# Altium PCB ECSE478 - DAQ Device.PcbDoc (part 4 of 4) (continued)
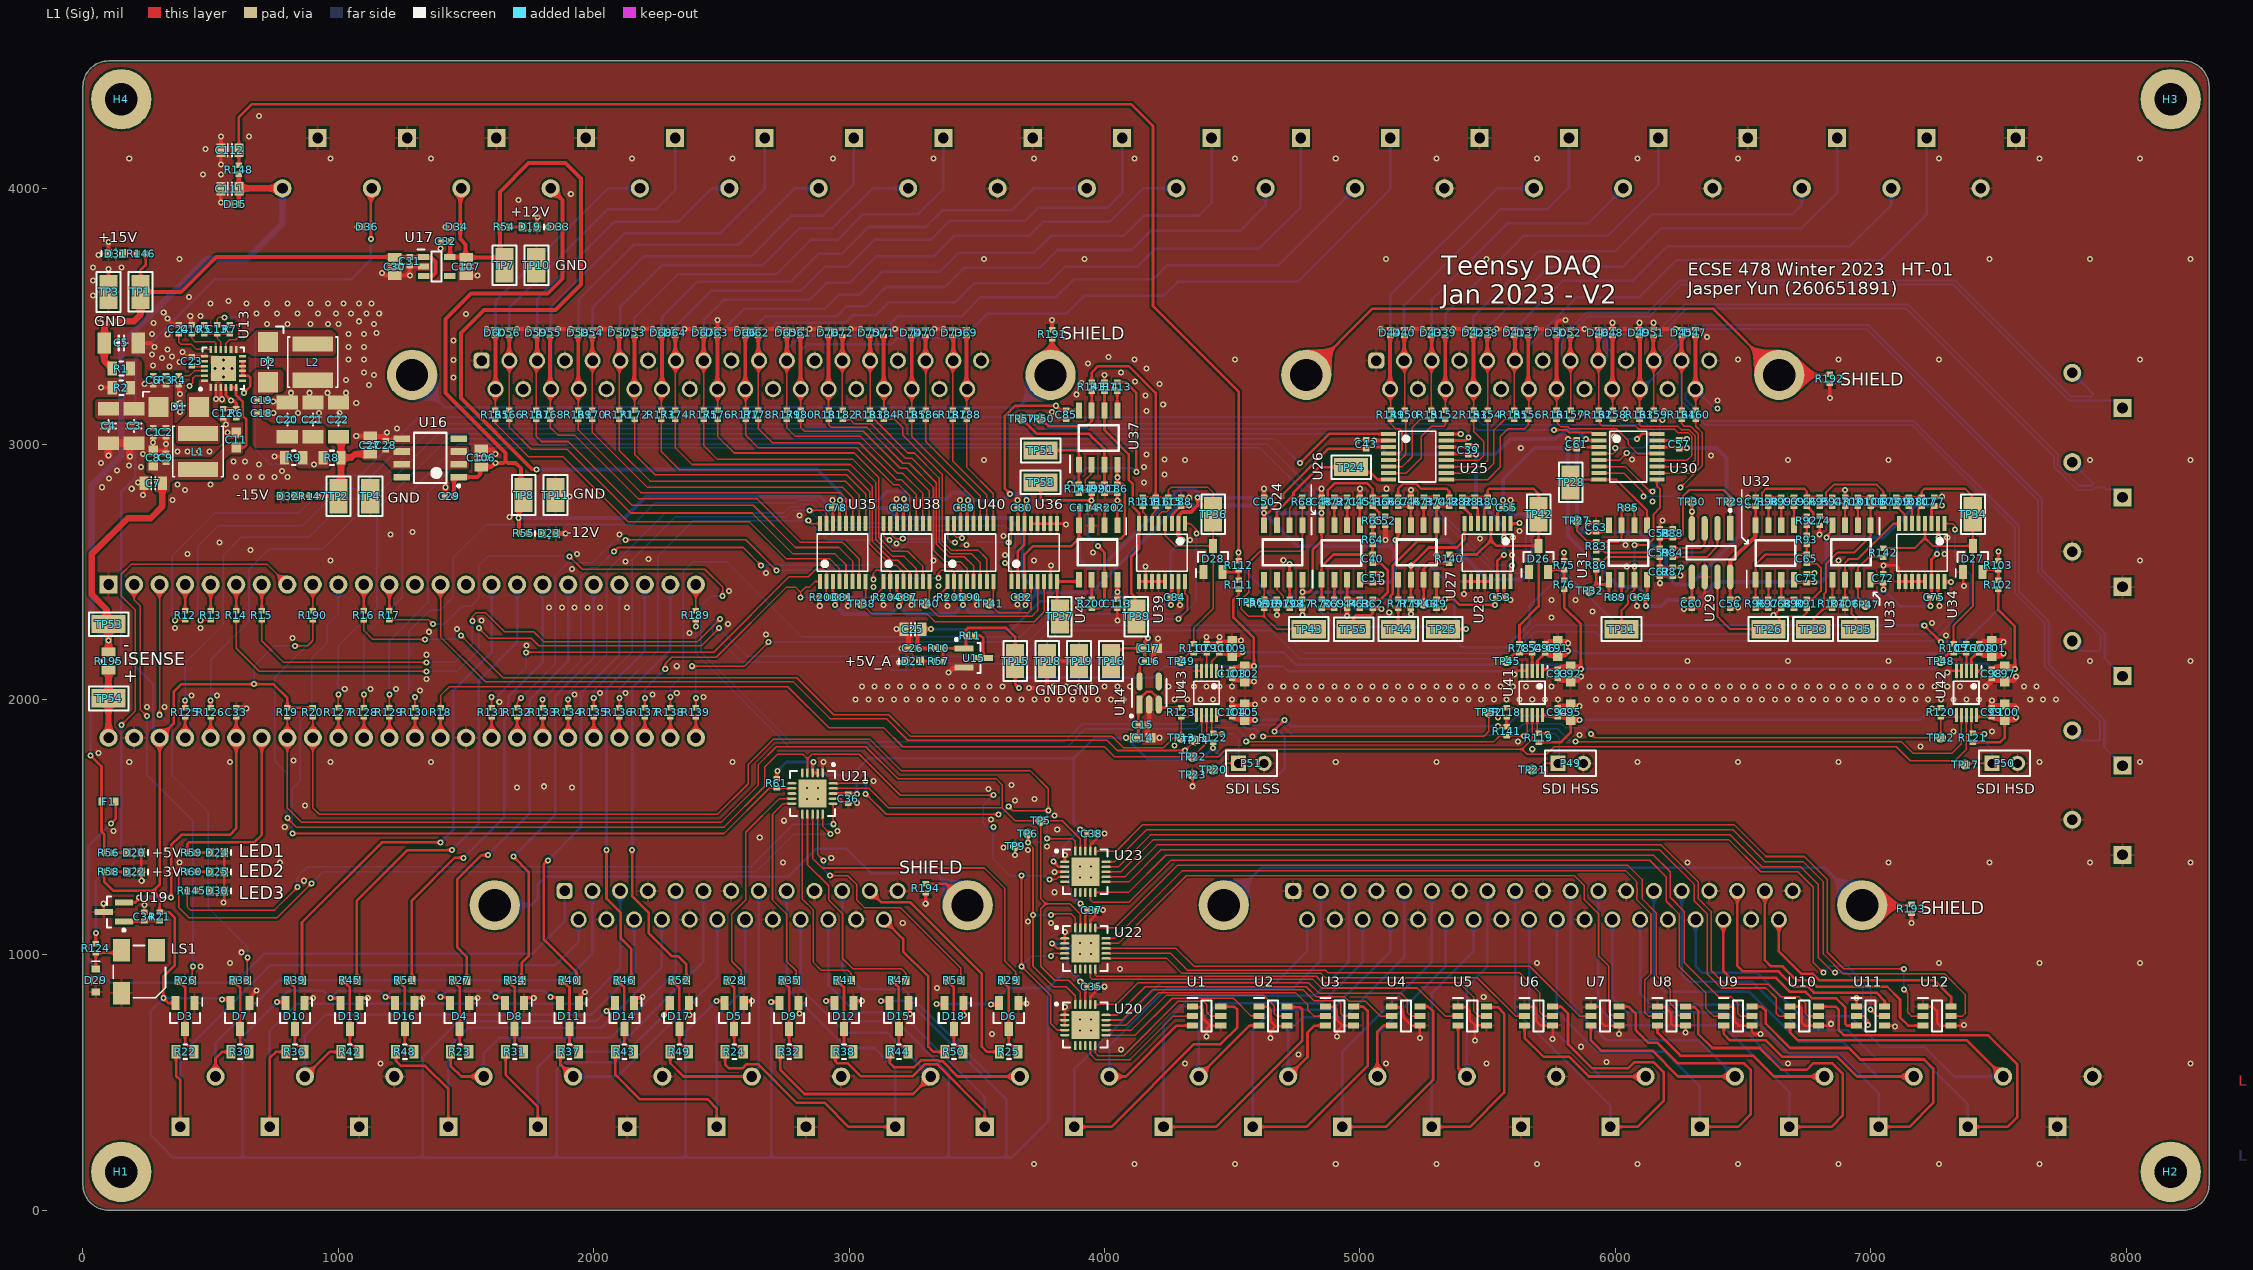
[diagram p0: L1 (Sig) view]
## Nets (pads, with @x,y where several pads share a name; then routed paths per layer and width w, separated by ;. In a path a pad name is that pad's centre, name@x,y a point inside that pad or via, vN(x,y) a via of type N, cw(c..) or ccw(c..) an arc to the next point about the centre after c; other vN are vias at no path point) (continued)
  L4 (Sig) w6: v1(800,1535) 800,1710 750,1760 750,2085 900,2235 U18.9@900,2450 ; v1(3565,1625) 3525,1585 3525,1515 3540,1500 v1(3565,1500) 3565,1375 3630,1310 v1(3675,1310) 3770,1310 v1(3785,1295) ; v1(3675,955) 3715,995 v1(3790,995)
RELAY_COIL_PWR_IN_CH_1: J3.20 P27.1 U1.6 | length 2392.9
  L1 (Sig) w10: P27.1@3881.1,326.57 4026.57,326.57 4350,650 4455,650 4520,715 4520,785 4507.6,797.4 U1.6@4455.12,797.4
  L4 (Sig) w10: P27.1@3881.1,326.57 3881.1,551.1 4220,890 4670.12,890 4793.31,1013.19 J3.20@4793.31,1138.19
RELAY_COIL_PWR_IN_CH_2: J3.2 P27.2 U1.3 | length 1768.3
  L1 (Sig) w10: P27.2@4018.9,523.43 4083.43,523.43 4282.6,722.6 U1.3@4344.89,722.6
  L4 (Sig) w10: P27.2@4018.9,523.43 4018.9,643.9 4245,870 4740,870 4847.64,977.64 J3.2@4847.64,1250
RELAY_COIL_PWR_IN_CH_3: J3.3 P29.1 U2.6 | length 2374.1
  L1 (Sig) w10: P29.1@4231.1,326.57 4436.57,326.57 4775,665 4775,785 4765,795 4717.53,795 U2.6@4715.12,797.4
  L4 (Sig) w10: P29.1@4231.1,326.57 4231.1,726.1 4345,840 4825,840 4956.3,971.3 J3.3@4956.3,1250
RELAY_COIL_PWR_IN_CH_4: J3.22 P29.2 U2.3 | length 1436.3
  L1 (Sig) w10: P29.2@4368.9,523.43 4568.07,722.6 U2.3@4604.89,722.6
  L4 (Sig) w10: P29.2@4368.9,523.43 4368.9,733.9 4445,810 4850,810 5010.63,970.63 J3.22@5010.63,1138.19
RELAY_COIL_PWR_IN_CH_5: J3.23 P31.1 U3.6 | length 1994.7
  L1 (Sig) w10: P31.1@4581.1,326.57 4791.57,326.57 5030,565 5030,780 5012.6,797.4 U3.6@4975.12,797.4
  L4 (Sig) w10: P31.1@4581.1,326.57 4581.1,706.1 4660,785 4891.1,785 5119.29,1013.19 J3.23@5119.29,1138.19
RELAY_COIL_PWR_IN_CH_6: J3.5 P31.2 U3.3 | length 1296
  L1 (Sig) w10: P31.2@4718.9,523.43 4795,599.53 4795,695 4822.6,722.6 U3.3@4864.89,722.6
  L4 (Sig) w10: P31.2@4718.9,523.43 4718.9,698.9 4775,755 4940,755 5173.62,988.62 J3.5@5173.62,1250
RELAY_COIL_PWR_IN_CH_7: J3.6 P33.1 U4.6 | length 1828
  L1 (Sig) w10: P33.1@4931.1,326.57 5101.57,326.57 5287.6,512.6 5287.6,777.4 5267.6,797.4 U4.6@5235.12,797.4
  L4 (Sig) w10: P33.1@4931.1,326.57 4931.1,621.1 5282.28,972.28 J3.6@5282.28,1250
RELAY_COIL_PWR_IN_CH_8: J3.25 P33.2 U4.3 | length 966.9
  L1 (Sig) w10: P33.2@5068.9,523.43 5068.9,698.9 5092.6,722.6 U4.3@5124.89,722.6
  L4 (Sig) w10: P33.2@5068.9,523.43 5068.9,688.9 5336.61,956.61 J3.25@5336.61,1138.19
RELAY_COIL_PWR_IN_CH_9: J3.26 P35.1 U5.6 | length 1610
  L1 (Sig) w10: P35.1@5281.1,326.57 5431.57,326.57 5565,460 5565,770 5540,795 5497.53,795 U5.6@5495.12,797.4
  L4 (Sig) w10: P35.1@5281.1,326.57 5281.1,849.02 5445.28,1013.19 J3.26@5445.28,1138.19
RELAY_COIL_PWR_IN_CH_10: J3.8 P35.2 U5.3 | length 973.3
  L1 (Sig) w10: U5.3@5384.89,722.6 5384.89,557.44 P35.2@5418.9,523.43
  L4 (Sig) w10: P35.2@5418.9,523.43 5418.9,873.9 5499.61,954.61 J3.8@5499.61,1250
RELAY_COIL_PWR_IN_CH_11: J3.9 P28.1 U6.6 | length 2072.1
  L1 (Sig) w10: U6.6@5755.12,797.4 5787.6,797.4 5815,770 5815,650 5910,555 6050,555 6075,580 6150,580 6190,540 6190,430 6086.57,326.57 P28.1@5981.1,326.57
  L4 (Sig) w10: J3.9@5608.27,1250 5608.27,781.73 5981.1,408.9 P28.1@5981.1,326.57
RELAY_COIL_PWR_IN_CH_12: J3.28 P28.2 U6.3 | length 1492
  L1 (Sig) w10: U6.3@5644.89,722.6 5644.89,675.11 5720,600 5820,600 5896.57,523.43 P28.2@6118.9,523.43
  L4 (Sig) w10: J3.28@5662.6,1138.19 5662.6,802.4 5941.57,523.43 P28.2@6118.9,523.43
RELAY_COIL_PWR_IN_CH_13: J3.29 P30.1 U7.6 | length 2248.1
  L1 (Sig) w10: U7.6@6015.12,797.4 6052.6,797.4 6080,770 6080,705 6130,655 6165,655 6245,575 6505,575 6530,550 6530,375 6481.57,326.57 P30.1@6331.1,326.57
  L4 (Sig) w10: J3.29@5771.26,1138.19 5771.26,778.74 5930,620 6195,620 6331.1,483.9 P30.1@6331.1,326.57
RELAY_COIL_PWR_IN_CH_14: J3.11 P30.2 U7.3 | length 1885.5
  L1 (Sig) w10: U7.3@5904.89,722.6 5904.89,665.11 5945,625 6145,625 6246.57,523.43 P30.2@6468.9,523.43
  L4 (Sig) w10: J3.11@5825.59,1250 5825.59,804.41 5965,665 6327.32,665 P30.2@6468.9,523.43
RELAY_COIL_PWR_IN_CH_15: J3.12 P32.1 U8.6 | length 2664.8
  L1 (Sig) w10: U8.6@6275.12,797.4 6277.53,795 6310,795 6325,780 6325,690 6380,635 6565,635 6650,550 6750,550 6775,575 6850,575 6890,535 6890,370 6846.57,326.57 P32.1@6681.1,326.57
  L4 (Sig) w10: J3.12@5934.25,1250 5934.25,795.75 6005,725 6420,725 6681.1,463.9 P32.1@6681.1,326.57
RELAY_COIL_PWR_IN_CH_16: J3.31 P32.2 U8.3 | length 2017.3
  L1 (Sig) w10: U8.3@6164.89,722.6 6164.89,695.11 6255,605 6540,605 6621.57,523.43 P32.2@6818.9,523.43
  L4 (Sig) w10: J3.31@5988.58,1138.19 5988.58,831.42 6045,775 6435,775 6686.57,523.43 P32.2@6818.9,523.43
RELAY_COIL_PWR_IN_CH_17: J3.32 P34.1 U9.6 | length 2744.9
  L1 (Sig) w10: U9.6@6535.12,797.4 6572.6,797.4 6590,780 6590,730 6685,635 6915,635 6960,590 7210,590 7245,555 7245,420 7151.57,326.57 P34.1@7031.1,326.57
  L4 (Sig) w10: J3.32@6097.24,1138.19 6097.24,847.76 6140,805 6490,805 6685,610 6880,610 7031.1,458.9 P34.1@7031.1,326.57
RELAY_COIL_PWR_IN_CH_18: J3.14 P34.2 U9.3 | length 2369.8
  L1 (Sig) w10: U9.3@6424.89,722.6 6424.89,690.11 6450,665 6590,665 6655,600 6870,600 6946.57,523.43 P34.2@7168.9,523.43
  L4 (Sig) w10: J3.14@6151.57,1250 6151.57,898.43 6195,855 6525,855 6720,660 6890,660 7026.57,523.43 P34.2@7168.9,523.43
RELAY_COIL_PWR_IN_CH_19: J3.15 P36.1 U10.6 | length 3080.8
  L1 (Sig) w10: U10.6@6795.12,797.4 6862.6,797.4 6875,785 6875,705 6895,685 7460,685 7575,570 7575,365 7536.57,326.57 P36.1@7381.1,326.57
  L4 (Sig) w10: J3.15@6260.24,1250 6260.24,924.76 6290,895 6535,895 6725,705 6910,705 7020,595 7200,595 7381.1,413.9 P36.1@7381.1,326.57
RELAY_COIL_PWR_IN_CH_20: J3.34 P36.2 U10.3 | length 2498.6
  L1 (Sig) w10: U10.3@6684.89,722.6 6684.89,695.12 6714.89,665.11 7377.21,665.11 P36.2@7518.9,523.43
  L4 (Sig) w10: J3.34@6314.57,1138.19 6314.57,955.43 6340,930 6555,930 6725,760 6920,760 7040,640 7210,640 7326.57,523.43 P36.2@7518.9,523.43
RELAY_COIL_PWR_IN_CH_21: J3.35 U11.3 | length 849.9
  L1 (Sig) w10: J3.35@6423.23,1138.19 6423.23,936.77 6450,910 6630,910 6685,855 6745,855 6770,830 6865,830 6900,795 6900,730 6907.4,722.6 U11.3@6944.89,722.6
RELAY_COIL_PWR_IN_CH_22: J3.17 U11.6 | length 949.6
  L1 (Sig) w10: J3.17@6477.56,1250 6477.56,957.44 6500,935 6640,935 6700,875 6755,875 6778.19,851.81 7023.19,851.81 7055.12,819.88 U11.6@7055.12,797.4
RELAY_COIL_PWR_IN_CH_23: J3.18 U12.3 | length 1037
  L1 (Sig) w10: J3.18@6586.22,1250 6586.22,978.78 6610,955 6655,955 6710,900 6765,900 6790,875 7065,875 7115,825 7115,755 7147.4,722.6 U12.3@7204.89,722.6
RELAY_COIL_PWR_IN_CH_24: J3.37 U12.6 | length 910.9
  L1 (Sig) w10: J3.37@6640.55,1138.19 6640.55,1013.19 6728.74,925 6775,925 6800,900 7250,900 7315.12,834.88 U12.6@7315.12,797.4
RELAY_DRIVER_EN_CH_1: U1.2 U20.9 | length 513
  L1 (Sig) w6: U20.9@3944.69,644.29 3944.69,610.31 3965,590 4100,590 4270,760 U1.2@4344.89,760
RELAY_DRIVER_EN_CH_2: U1.5 U20.10 | length 654.5
  L1 (Sig) w6: U20.10@3964.37,644.29 3964.37,615.63 3975,605 4075,605 4289,819 4386,819 4400,805 4400,775 4415,760 U1.5@4455.12,760
RELAY_DRIVER_EN_CH_3: U2.2 U20.11 | length 688
  L1 (Sig) w6: U20.11@4005.71,685.63 4120.63,685.63 4265,830 4505,830 4574.09,760.91 4603.98,760.91 U2.2@4604.89,760
RELAY_DRIVER_EN_CH_4: U2.5 U20.12 | length 816.7
  L1 (Sig) w6: U20.12@4005.71,705.32 4105.31,705.32 4241,841 4624,841 4665,800 4665,770 4675,760 U2.5@4715.12,760
RELAY_DRIVER_EN_CH_5: U3.2 U20.13 | length 961.6
  L1 (Sig) w6: U20.13@4005.71,725 4085,725 4212,852 4748,852 4795,805 4795,785 4820,760 U3.2@4864.89,760
RELAY_DRIVER_EN_CH_6: U3.5 U20.14 | length 1084.5
  L1 (Sig) w6: U20.14@4005.71,744.69 4069.69,744.69 4188,863 4777,863 4820,820 4915,820 4925,810 4925,770 4935,760 U3.5@4975.12,760
RELAY_DRIVER_EN_CH_7: U4.2 U20.15 | length 1212.6
  L1 (Sig) w6: U20.15@4005.71,764.37 4049.37,764.37 4160,875 4790,875 4830,835 4940,835 4956,819 5021,819 5080,760 U4.2@5124.89,760
RELAY_DRIVER_EN_CH_8: U4.5 U20.16 | length 1388.8
  L1 (Sig) w6: U20.16@3964.37,805.71 4045.71,805.71 4130,890 4800,890 4840,850 5160,850 5185,825 5185,775 5200,760 U4.5@5235.12,760
RELAY_DRIVER_EN_CH_9: U5.2 U22.9 | length 1536.1
  L1 (Sig) w6: U22.9@3944.69,944.29 3944.69,910.86 3950.54,905 4815,905 4850,870 5224.44,870 5334.44,760 U5.2@5384.89,760
RELAY_DRIVER_EN_CH_10: U5.5 U22.10 | length 1653.2
  L1 (Sig) w6: U22.10@3964.37,944.29 3964.37,920.63 3969,916 4829,916 4855,890 5390,890 5445,835 5445,780 5465,760 U5.5@5495.12,760
RELAY_DRIVER_EN_CH_11: U6.2 U22.11 | length 1732.6
  L1 (Sig) w6: U22.11@4005.71,985.63 4244.37,985.63 4303,927 4848,927 4865,910 5460,910 5610,760 U6.2@5644.89,760
RELAY_DRIVER_EN_CH_12: U6.5 U22.12 | length 1895
  L1 (Sig) w6: U22.12@4005.71,1005.32 4259.69,1005.32 4325,940 4865,940 4875,930 5625,930 5705,850 5705,775 5720,760 U6.5@5755.12,760
RELAY_DRIVER_EN_CH_13: U7.2 U22.13 | length 2008.9
  L1 (Sig) w6: U22.13@4005.71,1025 4280,1025 4350,955 5665,955 5860,760 U7.2@5904.89,760
RELAY_DRIVER_EN_CH_14: U7.5 U22.14 | length 2581.4
  L1 (Sig) w6: U22.14@4005.71,1044.69 4054.69,1044.69 4195,1185 4320,1310 5840,1310 5878.65,1271.35 5878.65,1216.35 5935,1160 5935,995 5975,955 5975,775 5987.98,762.02 6013.11,762.02 U7.5@6015.12,760
RELAY_DRIVER_EN_CH_15: U8.2 U22.15 | length 2807.4
  L1 (Sig) w6: U22.15@4005.71,1064.37 4039.37,1064.37 4305,1330 6040,1330 6085,1285 6085,1260.28 6085.28,1260 6085.28,1235.28 6085,1235 6085,1215 6140,1160 6140,925 6115,900 6115,775 6130,760 U8.2@6164.89,760
RELAY_DRIVER_EN_CH_16: U8.5 U22.16 | length 2884.8
  L1 (Sig) w6: U22.16@3964.37,1105.71 4040.71,1105.71 4285,1350 6050,1350 6105,1295 6105,1220 6160,1165 6160,920 6215,865 6215,810 6240,785 6240,770 6247.98,762.02 6273.11,762.02 U8.5@6275.12,760
RELAY_DRIVER_EN_CH_17: U9.2 U23.9 | length 3045.3
  L1 (Sig) w6: U23.9@3944.69,1244.29 3944.69,1215.31 3955,1205 4095,1205 4260,1370 6135,1370 6200,1305 6200,1210 6250,1160 6250,955 6355,850 6355,790 6385,760 U9.2@6424.89,760
RELAY_DRIVER_EN_CH_18: U9.5 U23.10 | length 3091.2
  L1 (Sig) w6: U23.10@3964.37,1244.29 4094.29,1244.29 4240,1390 6150,1390 6215,1325 6215,1225 6270,1170 6270,970 6405,835 6455,835 6480,810 6480,770 6490,760 U9.5@6535.12,760
RELAY_DRIVER_EN_CH_19: U10.2 U23.11 | length 3211.3
  L1 (Sig) w6: U23.11@4005.71,1285.63 4095.63,1285.63 4220.63,1410.63 6174.37,1410.63 6310,1275 6310,1210 6360,1160 6360,925 6415,870 6590,870 6630,830 6630,770 6640,760 U10.2@6684.89,760
RELAY_DRIVER_EN_CH_20: U10.5 U23.12 | length 3315.1
  L1 (Sig) w6: U23.12@4005.71,1305.32 4080.31,1305.32 4205.31,1430.31 6179.69,1430.32 6325,1285 6325,1220 6375,1170 6375,940 6430,885 6600,885 6650,835 6720,835 6745,810 6745,770 6755,760 U10.5@6795.12,760
RELAY_DRIVER_EN_CH_21: U11.5 U23.13 | length 3627.4
  L1 (Sig) w6: U23.13@4005.71,1325 4065,1325 4190,1450 6445,1450 6570,1325 6715,1325 6775,1265 6775,970 v1(6815,930) ; v1(7000,785) 7025,760 U11.5@7055.12,760
  L4 (Sig) w6: v1(6815,930) 6840,955 6910,955 7000,865 v1(7000,785)
RELAY_DRIVER_EN_CH_22: U11.2 U23.14 | length 3653.1
  L1 (Sig) w6: U23.14@4005.71,1344.69 4054.69,1344.69 4179.69,1469.69 6450.31,1469.69 6575,1345 6725,1345 6795,1275 6795,990 6848.78,936.22 6849.02,936.22 6855.23,930 v1(6860,930) ; U11.2@6944.89,760 6975,760 6990,745 v1(6990,725)
  L4 (Sig) w6: v1(6860,930) 6905,930 6970,865 6970,745 v1(6990,725)
RELAY_DRIVER_EN_CH_23: U12.5 U23.15 | length 3982.2
  L1 (Sig) w6: U23.15@4005.71,1364.37 4039.37,1364.37 4164.37,1489.37 6460.63,1489.37 6585,1365 6735,1365 6815,1285 6815,1003.02 6893.02,925 7290,925 7370,845 7370,770 7360,760 U12.5@7315.12,760
RELAY_DRIVER_EN_CH_24: U12.2 U23.16 | length 3852.1
  L1 (Sig) w6: U23.16@3964.37,1405.71 4045.71,1405.71 4150,1510 6465,1510 6590,1385 6740,1385 6830,1295 6830,1010 6895,945 v1(7130,945) ; v1(7130,865) 7145,850 7145,775 7160,760 U12.2@7204.89,760
  L4 (Sig) w6: v1(7130,865) v1(7130,945)
SDI_HS_DE: P50.1 R121.1 TP17.1 U42.9 | length 353.6
  L1 (Sig) w6: TP17.1@7370,1745 7375,1750 P50.1@7475,1750 ; U42.9@7394.69,1938.39 7394.69,1872.81 R121.1@7400,1867.5 7442.5,1867.5 v1(7445,1865)
  L4 (Sig) w6: v1(7445,1865) 7445,1835 7475,1805 P50.1@7475,1750
SDI_HS_SE: P49.1 R119.1 TP21.1 U41.9 | length 372.8
  L1 (Sig) w6: TP21.1@5675,1725 5675.49,1725.49 5700.49,1725.49 5725,1750 P49.1@5775,1750 ; U41.9@5694.69,1938.39 5694.69,1872.81 R119.1@5700,1867.5 5732.5,1867.5 v1(5735,1865)
  L4 (Sig) w6: v1(5735,1865) 5765,1865 5780,1850 5780,1755 P49.1@5775,1750
SDI_LS_SE: P51.1 R122.1 TP20.1 U43.9 | length 387.8
  L1 (Sig) w6: U43.9@4419.69,1938.39 4419.69,1872.81 R122.1@4425,1867.5 4457.5,1867.5 v1(4460,1865) ; TP20.1@4425,1725 4425.49,1725.49 4450.49,1725.49 4475,1750 P51.1@4525,1750
  L4 (Sig) w6: v1(4460,1865) 4505,1865 4525,1845 P51.1@4525,1750
SPI_ADC_HS_DE_nCS: R17.1 R120.1 TP12.1 U42.6 | length 7131.1
  L1 (Sig) w6: R17.1@1200,2312.5 1352.5,2312.5 v1(1370,2295) ; v1(1905,2560) 1955,2510 2435,2510 2505,2440 v1(2505,2405) ; v1(5905,1865) 5920,1850 TP12.1@7275,1850 R120.1@7275,1932.5 7332.72,1932.5 7335.63,1935.41 U42.6@7335.63,1938.39
  L4 (Sig) w6: v1(1370,2295) 1415,2295 1485,2365 1520,2365 1550,2395 1550,2525 1585,2560 v1(1905,2560) v1@1910,2560 ; v1(2505,2405) 2460,2405 2420,2365 2420,2185.56 2770.56,1835 3845,1835 3915,1905 4350,1905 4381,1936 4529,1936 4565,1900 4695,1900 4735,1860 5595,1860 5640,1905 5790,1905 5805,1890 5880,1890 v1(5905,1865)
SPI_ADC_HS_SE_nCS: R118.1 R189.1 TP52.1 U41.6 | length 3696.5
  L1 (Sig) w6: v1(2400,2285) R189.1@2400,2312.5 ; v1(4620,1855) 5485,1855 5505,1875 TP52.1@5505,1950 5506.04,1950 5523.54,1967.5 R118.1@5575,1967.5 5606.52,1967.5 5620.58,1953.43 5634.72,1953.43 5635.63,1952.53 U41.6@5635.63,1938.39
  L4 (Sig) w6: v1(2400,2285) 2400,2180 2765,1815 3855,1815 3925,1885 4360,1885 4390,1915 4525,1915 4555,1885 4590,1885 v1(4620,1855)
SPI_ADC_LS_SE_nCS: R16.1 R123.1 TP13.1 U43.6 | length 3606.8
  L1 (Sig) w6: R16.1@1100,2312.5 1100,2270 1135,2235 v1(1340,2235) ; v1(1480,2250) 1645,2085 2795,2085 2940,1940 3155,1940 3240,1855 4030,1855 4074,1811 4231,1811 4270,1850 TP13.1@4300,1850 R123.1@4300,1932.5 4327.5,1932.5 4333.39,1938.39 U43.6@4360.63,1938.39
  L4 (Sig) w6: v1(1340,2235) 1465,2235 v1(1480,2250)
SPI_ADC_SCLK: R18.2 TP22.1 U41.8 U42.8 U43.8 | length 6695
  L1 (Sig) w6: R18.2@1400,1967.5 1400,2015 1435,2050 2760,2050 2920,1890 3135,1890 3210,1815 4000,1815 4040,1775 TP22.1@4345,1775 ; U43.8@4400,1938.39 4400,1830 TP22.1@4345,1775 ; U41.8@5675,1938.39 5675,1845 5635,1805 ; U42.8@7375,1938.39 7375,1805 7330,1760 7155,1760 7100,1815 5760,1815 5730,1785 5655,1785 5635,1805 ; TP22.1@4345,1775 4445,1775 4475,1805 5635,1805
SPI_ADC_SDO: R141.1 TP14.1 U18.14 U41.7 U42.7 U43.7 | length 6852.9
  L1 (Sig) w6: U18.14@1400,2450 1400,2245 1575,2070 2780,2070 2925,1925 3145,1925 3230,1840 4010,1840 4050,1800 v1(4315,1800) TP14.1@4355,1840 4380.31,1865.32 U43.7@4380.31,1938.39 ; v1(4555,1835) 5525,1835 5547.5,1857.5 R141.1@5575,1857.5 v1(5642.5,1857.5) 5655.31,1870.32 U41.7@5655.31,1938.39 ; v1(5845,1835) 7120,1835 7165,1790 7320,1790 7355,1825 7355,1938.07 U42.7@7355.32,1938.39
  L4 (Sig) w6: v1(4315,1800) 4405,1890 4515,1890 4555,1850 v1(4555,1835) ; v1(5642.5,1857.5) 5670,1885 5775,1885 5825,1835 v1(5845,1835)
SW_NODE_N: D2.1 L2.2 U13.13 U13.14
SW_NODE_P: D1.2 L1.2 U13.1 U13.24
TEMPERATURE_SENSOR: C33.2 U18.43 U19.2 | length 1120.7
  L1 (Sig) w10: U19.2@160,1204.8 204.8,1204.8 217.39,1217.39 217.39,1222.39 v1(220,1225) ; v1(345,1225) 345,1430 385,1470 575,1470 600,1495 U18.43@600,1850 C33.2@600,1932.5
  L4 (Sig) w10: v1(220,1225) v1(345,1225)
pads on no net: H1.1 H2.1 H3.1 H4.1 LS1.3 U13.7 U13.12 U13.20 U14.4 U16.4 U16.8 U17.4 U18.13 U18.15 U20.5 U20.6 U20.7 U20.8 U20.21 U21.5 U21.6 U21.8 U21.21 U22.5 U22.6 U22.7 U22.8 U22.21 U23.5 U23.6 U23.7 U23.8 U23.21
copper on no net:
  other v2: 3903.35,703.35 3946.65,703.35 3903.35,746.65 3946.65,746.65 3903.35,1003.35 3946.65,1003.35 3903.35,1046.65 3946.65,1046.65 3903.35,1303.35 3946.65,1303.35 3903.35,1346.65 3946.65,1346.65 2835,1610 2878.31,1610 2835,1653.31 2878.31,1653.31

## Polygon pours and split planes (outlines as drawn)
GND on L1 (Sig) "L1_GND" (solid, remove dead copper, pour order 12): 0,100 0,4405 cw(c95,4405) 95,4500 8225,4500 cw(c8225,4400) 8325,4400 8325,103.73 cw(c8221.27,103.73) 8221.27,0 100,0 cw(c100,100)
BOOST_VPOS on L1 (Sig) "NONET_L-01_P-001" (solid, remove dead copper, pour order 0): 218.13,3333.87 231,3321 231,3260 246,3245 341,3245 351,3235 351,3057.87 343,3049.87 254,3049.87 250,3053.87 250,3079.87 232,3097.87 57,3097.87 47,3107.87 47,3167.87 55,3175.87 150,3175.87 160,3185.87 160,3326.87 167,3333.87 182,3333.87
SW_NODE_P on L1 (Sig) "NONET_L-01_P-001" (solid, remove dead copper, pour order 1): 489,3253.87 460,3253.87 454,3247.87 454,3210.87 444,3200.87 414,3200.87 408,3194.87 408,3114.87 373,3079.87 366,3072.87 366,3006.87 371,3001.87 530,3001.87 535,3006.87 535,3074.87 529,3080.87 499,3110.87 499,3184.87 507,3192.87 507,3237.87 505,3239.87 493,3239.87 491,3241.87 491,3251.87
-15 on L1 (Sig) "NONET_L-01_P-001" (solid, remove dead copper, pour order 7): 1090,2985.87 1090,2945.87 1100,2935.87 1175,2935.87 1210,2900.87 1505,2900.87 1510,2905.87 1510,2985.87 1505,2990.87 1095,2990.87
BOOST_VNEG on L1 (Sig) "NONET_L-01_P-001" (solid, remove dead copper, pour order 6): 680,3290.87 665,3275.87 665,2995.87 675,2985.87 820,2985.87 835,2970.87 835,2915.87 845,2905.87 960,2905.87 970,2915.87 970,2975.87 950,2995.87 950,3060.87 940,3070.87 735,3070.87 705,3100.87 705,3185.87 745,3185.87 755,3195.87 780,3195.87 785,3200.87 785,3280.87 775,3290.87
GND on L1 (Sig) "NONET_L-01_P-001" (solid, remove dead copper, pour order 4): 815,3290.87 795,3270.87 795,3210.87 780,3195.87 755,3195.87 745,3185.87 705,3185.87 705,3100.87 710,3095.87 1050,3095.87 1060,3105.87 1060,3270.87 1040,3290.87
SW_NODE_N on L1 (Sig) "NONET_L-01_P-001" (solid, remove dead copper, pour order 3): 575,3355.87 575,3390.87 585,3400.87 635,3400.87 650,3415.87 675,3440.87 680,3445.87 975,3445.87 990,3430.87 990,3355.87 980,3345.87 660,3345.87 650,3355.87
+5 on L1 (Sig) "NONET_L-01_P-001" (solid, remove dead copper, pour order 2): 250,2935.87 250,2890.87 255,2885.87 270,2885.87 280,2875.87 280,2815.87 285,2810.87 335,2810.87 340,2815.87 340,2845.87 355,2860.87 540,2860.87 550,2870.87 550,2935.87 575,2960.87 620,2960.87 625,2965.87 625,3005.87 620,3010.87 575,3010.87 505,2940.87 485,2940.87 255,2940.87
GND on L2 (GND) "NONET_L-01_P-001" (solid, remove dead copper, pour order 13): 0,100 0,4405 cw(c95,4405) 95,4500 8225,4500 cw(c8225,4400) 8325,4400 8325,103.73 cw(c8221.27,103.73) 8221.27,0 100,0 cw(c100,100)
GND on L3 (GND) "NONET_L-01_P-001" (solid, remove dead copper, pour order 14): 0,100 0,4405 cw(c95,4405) 95,4500 8225,4500 cw(c8225,4400) 8325,4400 8325,103.73 cw(c8221.27,103.73) 8221.27,0 100,0 cw(c100,100)
GND on L4 (Sig) "NONET_L-01_P-001" (solid, remove dead copper, pour order 15): 0,100 0,4405 cw(c95,4405) 95,4500 8225,4500 cw(c8225,4400) 8325,4400 8325,103.73 cw(c8221.27,103.73) 8221.27,0 100,0 cw(c100,100)

## Other copper
L1 (Sig):
  text "L1 - Top Layer" at 8442.27,487.94 h40
L2 (GND):
  text "L2 - Inner Layer 1" at 8442.27,389.51 h40
L3 (GND):
  text "L3 - Inner Layer 2" at 8442.27,291.09 h40
L4 (Sig):
  text "L4 - Bottom Layer" at 8442.27,192.66 h40

## Silkscreen, mask and mechanical layers (free items; w line width, h text height)
Top Overlay:
  lines w7: 35,975 65,975 ; 235,3185 235,3205 260,3205 ; 370,3135 355,3150 ; 400,3150 355,3150 ; 710,3325 725,3340 ; 725,3295 725,3340 ; 755,3460 785,3460 785,3435 ; 4810,2840 4810,2740 4825,2725 ; 4825,2740 4825,2725 ; 6495,2820 6495,2635 6520,2610 ; 6520,2625 6520,2610 ; 7025,2420 7010,2420 ; 7035,2370 7035,2395 7010,2420 ; 355,3150 370,3165 355,3150 ; 725,3340 740,3325 725,3340 ; 4825,2725 4810,2725 4825,2725 ; 6520,2610 6505,2610 6520,2610 ; 7010,2420 7010,2405 7010,2420
  text "+12V" at 1674.25,3891 h40
  text "+15V" at 59.25,3791 h40
  text "GND" at 1848.96,3681 h40
  text "ECSE 478 Winter 2023   HT-01 / Jasper Yun (260651891)" at 6283.39,3584.51 h50
  text "Teensy DAQ / Jan 2023 - V2" at 5318.71,3550 h75
  text "GND" at 43.96,3461 h40
  text "SHIELD" at 3830.62,3408 h50
  text "SHIELD" at 6880.62,3228 h50
  text "GND" at 1918.96,2786 h40
  text "-15V" at 599.25,2781 h40
  text "GND" at 1193.96,2771 h40
  text "-12V" at 1894.25,2636 h40
  text "-" at 158.58,2191.58 h50
  text "ISENSE" at 158.58,2133 h50
  text "+5V_A" at 2983.31,2129.33 h40
  text "+" at 158.58,2068 h50
  text "GND" at 3728.96,2016 h40
  text "GND" at 3853.96,2016 h40
  text "SDI LSS" at 4474.74,1631 h40
  text "SDI HSS" at 5714.5,1631 h40
  text "SDI HSD" at 7414.5,1631 h40
  text "LED1" at 610.13,1383 h50
  text "+5V" at 268.92,1381 h40
  text "SHIELD" at 3195.62,1318 h50
  text "+3V" at 268.92,1306 h40
  text "LED2" at 609.42,1303 h50
  text "LED3" at 609.42,1218 h50
  text "SHIELD" at 7195.62,1158 h50
Bottom Overlay:
  region: 205,4120 150,4175 95,4120
  region: 95,370 150,315 205,370
  region: 8120,370 8175,315 8230,370
  region: 8230,4120 8175,4175 8120,4120
  text "+5V" at 639.9,4462 h50 r180
  text "GND" at 816.2,4462 h50 r180
  text "3V3+" at 981.8,4462 h50 r180
  text "GND" at 1176.2,4462 h50 r180
  text "+12V" at 1331.57,4462 h50 r180
  text "GND" at 1546.2,4462 h50 r180
  text "-12V" at 1701.57,4462 h50 r180
  text "GND" at 1916.2,4462 h50 r180
  text "AL1" at 2102.15,4462 h50 r180
  text "AL2" at 2261.44,4462 h50 r180
  text "AL3" at 2451.44,4462 h50 r180
  text "AL4" at 2610.25,4462 h50 r180
  text "AL5" at 2801.44,4462 h50 r180
  text "AL6" at 2962.63,4462 h50 r180
  text "AL7" at 3141.44,4462 h50 r180
  text "AL8" at 3301.44,4462 h50 r180
  text "GND" at 3466.2,4462 h50 r180
  text "GND" at 3646.2,4462 h50 r180
  text "AL9" at 3822.63,4462 h50 r180
  text "AL10" at 3973.11,4462 h50 r180
  text "AL11" at 4153.82,4462 h50 r180
  text "AL12" at 4313.11,4462 h50 r180
  text "AL13" at 4493.11,4462 h50 r180
  text "AL14" at 4671.92,4462 h50 r180
  text "AL15" at 4853.11,4462 h50 r180
  text "AL16" at 5044.3,4462 h50 r180
  text "GND" at 5236.2,4462 h50 r180
  text "GND" at 5406.2,4462 h50 r180
  text "AH1" at 5585.61,4462 h50 r180
  text "AH2" at 5744.89,4462 h50 r180
  text "AH3" at 5914.89,4462 h50 r180
  text "AH4" at 6093.7,4462 h50 r180
  text "GND" at 6286.2,4462 h50 r180
  text "GND" at 6446.2,4462 h50 r180
  text "AH5" at 6624.89,4462 h50 r180
  text "AH6" at 6786.08,4462 h50 r180
  text "AH7" at 6984.89,4462 h50 r180
  text "AH8" at 7144.89,4462 h50 r180
  text "GND" at 7326.2,4462 h50 r180
  text "GND" at 7496.2,4462 h50 r180
  text "M3" at 8209.28,4053 h40
  text "DIFFERENTIAL HIGH SPEED ANALOG INPUTS" at 7612,3399.87 h50 r90
  text "AI1+" at 8272,3399.87 h50 r90
  text "AI1-" at 8272,3239.87 h50 r90
  text "AI2+" at 8272,3033.79 h50 r90
  text "AI2-" at 8272,2863.79 h50 r90
  text "LOW SPEED ANALOG INPUTS" at 3905.37,2853 h50
  text "HIGH SPEED ANALOG INPUTS" at 6760.61,2853 h50
  text "GND" at 8272,2673.8 h50 r90
  text "GND" at 8272,2513.8 h50 r90
  text "Teensy DAQ / Jan 2023 - V2" at 6762.58,2370 h75
  text "AI3+" at 8272,2343.79 h50 r90
  text "AI3-" at 8272,2163.79 h50 r90
  text "ECSE 478 Winter 2023   HT-01 / Jasper Yun (260651891)" at 6911.08,2120 h50
  text "TEENSY 4.1" at 1382.7,2108 h50
  text "AI4+" at 8272,1993.79 h50 r90
  text "JLCJLCJLCJLC" at 1382.1,1978 h40
  text "R" at 5365.78,1923.82 h1181.1
  text "AI4-" at 8272,1813.79 h50 r90
  text "GND" at 8272,1633.8 h50 r90
  text "DIGITAL IO" at 3586.75,1533 h50
  text "RELAY CHANNELS" at 7069.46,1533 h50
  text "GND" at 8272,1463.8 h50 r90
  text "S/N" at 1325,700 h50
  text "FIO1" at 434.39,48 h50
  text "FIO2" at 615.11,48 h50
  text "FIO3" at 795.11,48 h50
  text "FIO4" at 966.3,48 h50
  text "GND" at 1143.8,48 h50
  text "GND" at 1303.8,48 h50
  text "FIO5" at 1495.11,48 h50
  text "FIO6" at 1673.91,48 h50
  text "FIO7" at 1855.11,48 h50
  text "FIO8" at 2025.11,48 h50
  text "GND" at 2203.8,48 h50
  text "GND" at 2363.8,48 h50
  text "FIO9" at 2543.91,48 h50
  text "FIO10" at 2743.43,48 h50
  text "GND" at 2903.8,48 h50
  text "GND" at 3073.8,48 h50
  text "DIO1" at 3238.32,48 h50
  text "DIO2" at 3429.03,48 h50
  text "DIO3" at 3599.03,48 h50
  text "DIO4" at 3780.22,48 h50
  text "R01" at 3930.47,48 h50
  text "R02" at 4111.18,48 h50
  text "R03" at 4291.18,48 h50
  text "R04" at 4452.37,48 h50
  text "R05" at 4641.18,48 h50
  text "R06" at 4819.99,48 h50
  text "R07" at 5001.18,48 h50
  text "R08" at 5161.18,48 h50
  text "R09" at 5349.99,48 h50
  text "R10" at 5527.25,48 h50
  text "GND" at 5703.8,48 h50
  text "GND" at 5883.8,48 h50
  text "R11" at 6036.54,48 h50
  text "R12" at 6217.25,48 h50
  text "R13" at 6397.25,48 h50
  text "R14" at 6558.44,48 h50
  text "R15" at 6747.25,48 h50
  text "R16" at 6916.06,48 h50
  text "R17" at 7097.25,48 h50
  text "R18" at 7257.25,48 h50
  text "R19" at 7446.06,48 h50
  text "R20" at 7631.18,48 h50
  text "GND" at 7813.8,48 h50
  text "GND" at 7983.8,48 h50
Board Outline:
  lines w7: 0,100 ccw(c100,100) 100,0 8221.27,0 ccw(c8221.27,103.73) 8325,103.73 8325,4400 ccw(c8225,4400) 8225,4500 95,4500 ccw(c95,4405) 0,4405 0,100

## Text inside footprints (layer, text, board x,y; h text height)
D19: Top Designator "-" at 1826.77,3832.26 h32 r90
D20: Top Designator "-" at 276.77,1382.26 h32 r90
D21: Top Designator "-" at 3173.23,2167.74 h32 r270
D22: Top Designator "-" at 276.77,1307.26 h32 r90
D23: Top Designator "-" at 1748.23,2667.74 h32 r270
D24: Top Designator "-" at 601.77,1382.26 h32 r90
D25: Top Designator "-" at 601.77,1307.26 h32 r90
D30: Top Designator "-" at 601.77,1232.26 h32 r90
D31: Top Designator "-" at 50.79,3763.61 h32 r270
D32: Top Designator "-" at 879.33,2778.13 h32 r90
U18: Bottom Overlay "USB" at 120,2199.99 h40 r90